# Altium PCB PreCharge.PcbDoc (part 1 of 2)
Units mil, origin at the board's own origin, x right, y up, seen from the top; angles counter-clockwise.
Board outline 4330.71 x 3149.61 mil, 2 copper layers (Component Side, Bottom Layer), stack 12.8 mil thick; 122 components, 83 nets, 386 pads, 0 vias.
Unrouted connection lines stored in the file: 261.
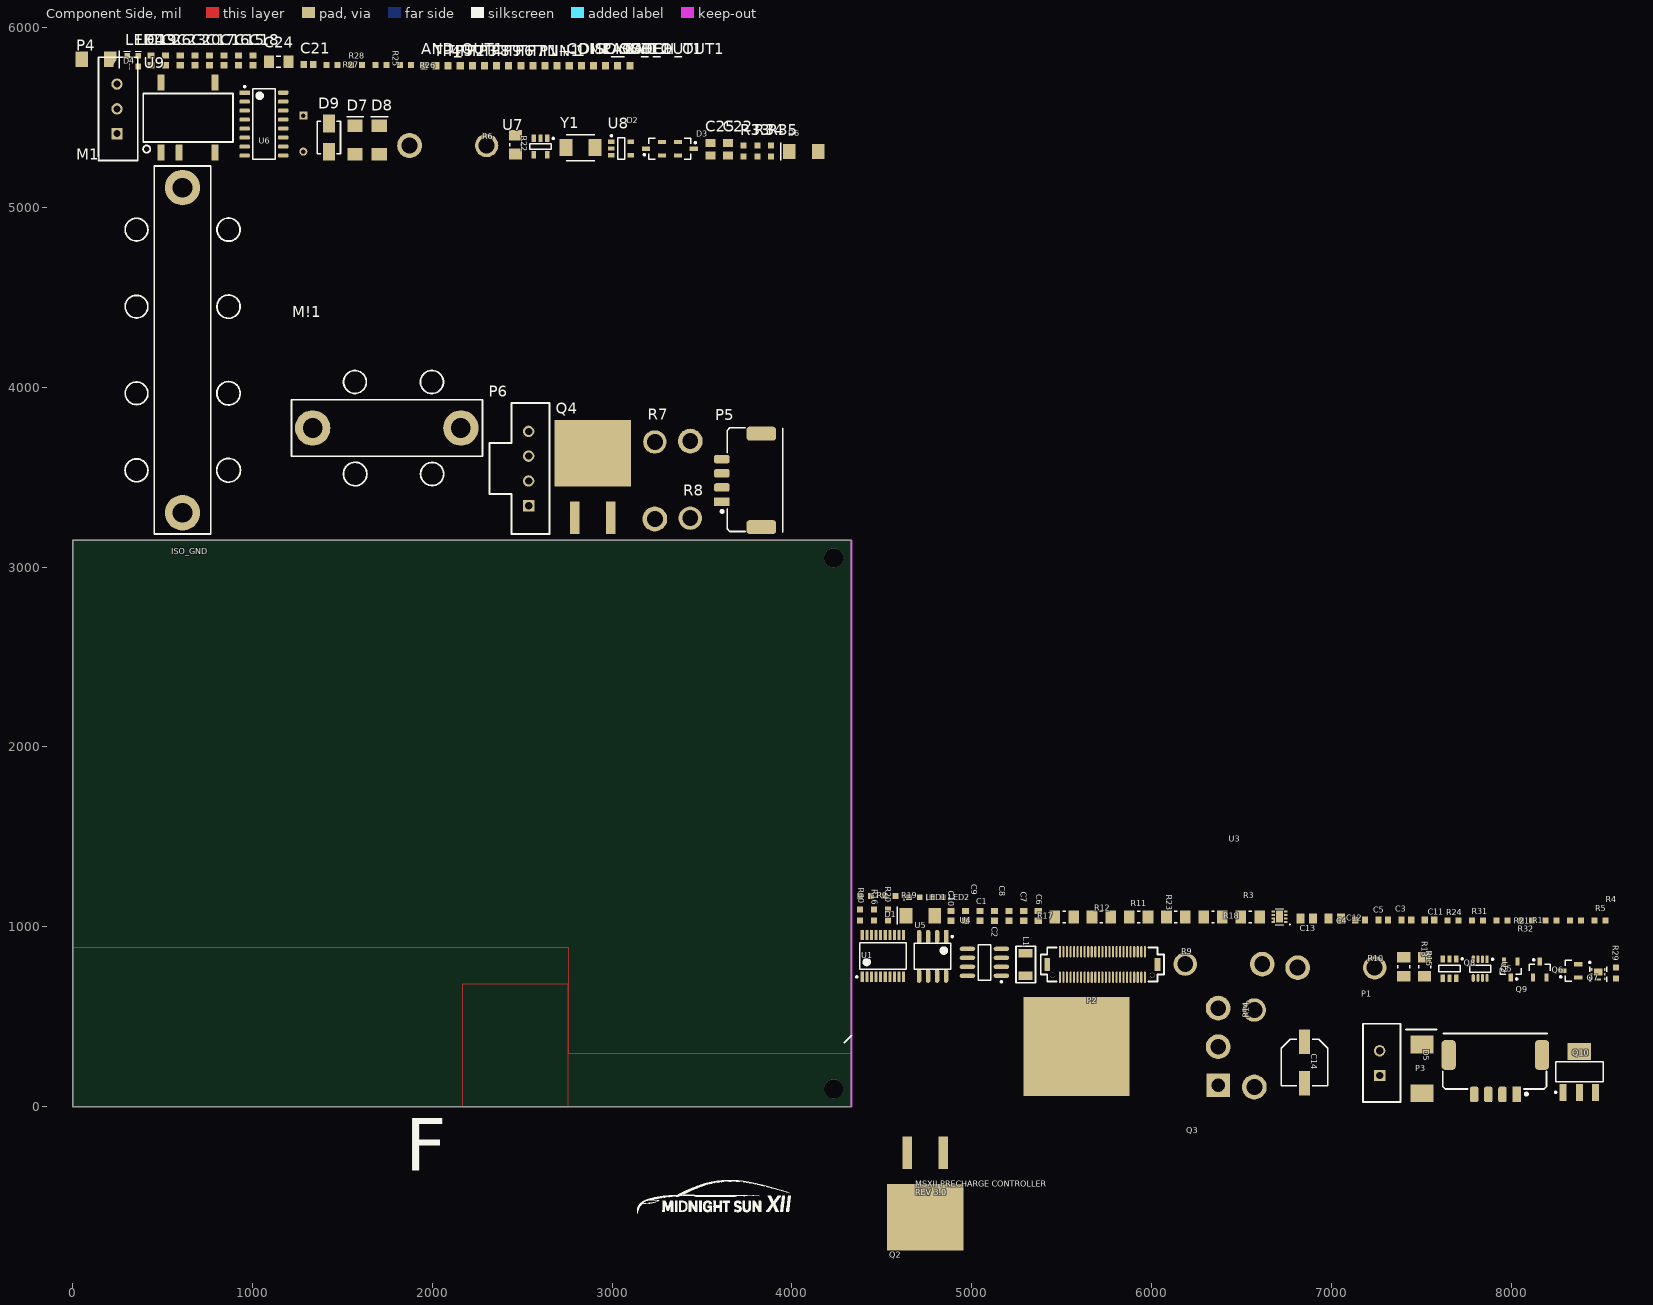
[diagram p0: Component Side view]
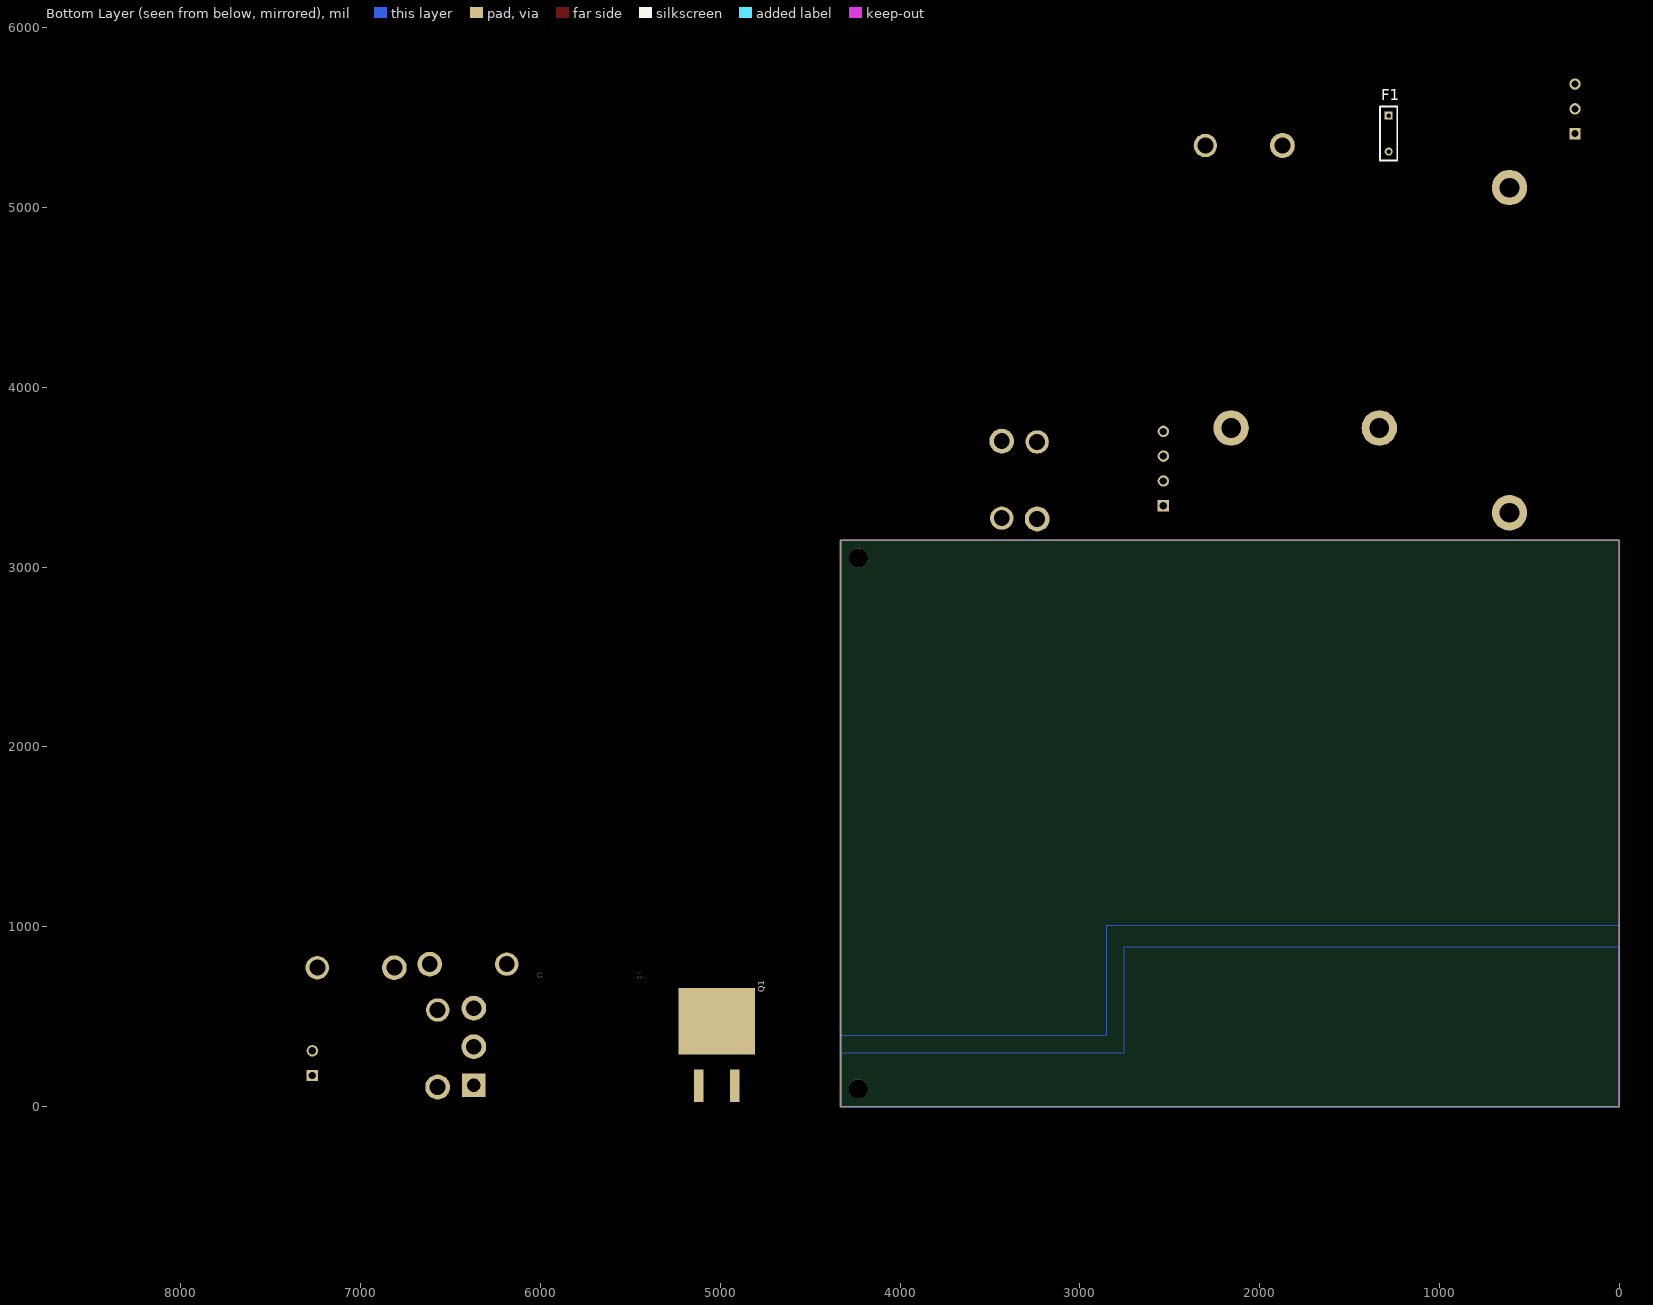
[diagram p1: Bottom Layer view, seen from below]

## Layer stack, top to bottom
Top Solder: solder mask 0.4, Solder Resist, Dk 3.5
Component Side: signal copper 1.4
Dielectric 1: core 10, FR-4, Dk 4.2
Bottom Layer: signal copper 1.4
Solder Side: solder mask 0.4, Solder Resist, Dk 3.5

## Board outline
0,0 4330.71,0 4330.71,3149.61 0,3149.61

## Design rules (kind name [scope] priority, off if disabled: settings)
Clearance "Schematic Clearance Constraint_1" [InNetClass('HV')] p1: gap=49.21 ignorepadtopadclearanceinfootprint=TRUE except(8: Text-Text Text-Hole)
Clearance Clearance_1 [InPolygon and InNet('ISO_GND') vs InNet('TO DISCHARGE RESISTOR') or InNet('PRECHARGEIN')or InNet('PRECHARGEOUT') or InNet('BAT_IN') or InNet('NetR12_1') or InNet('NetR13_1') or InComponent('K2')] p2: gap=31.5 ignorepadtopadclearanceinfootprint=FALSE except(0: Arc-Hole Track-Hole SMDPad-Hole THPad-Hole Via-Hole Fill-Hole Poly-Hole Region-Hole Text-Hole)
Clearance [All] p3: gap=7.87 ignorepadtopadclearanceinfootprint=FALSE except(0: Arc-Hole Track-Hole SMDPad-Hole THPad-Hole Via-Hole Fill-Hole Poly-Hole Region-Hole Text-Hole; 11.81: Poly-Poly Poly-Region Poly-Text)
DiffPairsRouting [All] p1: maxlimit=10 minlimit=10 mostfreqgap=10 toplayer_minwidth=15 toplayer_maxwidth=15 toplayer_prefwidth=15 bottomlayer_minwidth=15 bottomlayer_maxwidth=15 bottomlayer_prefwidth=15 maxuncoupledlength=500
Height [All] p1: minheight=0 maxheight=3937.01 prefheight=500
MinimumSolderMaskSliver [All] p1: minsoldermaskwidth=11.81
PolygonConnect Via_1 [IsVia] p1: connectstyle=Direct reliefconductorwidth=10 reliefentries=4 polygonreliefangle="90 Angle" airgapwidth=10
PolygonConnect [All] p2: connectstyle=Relief reliefconductorwidth=10 reliefentries=4 polygonreliefangle="90 Angle" airgapwidth=10
RoutingVias [All] p1: holewidth=11.81 width=23.62 viastyle="Through Hole" minholewidth=11.81 minwidth=23.62 maxholewidth=39.37 maxwidth=78.74
SolderMaskExpansion [All] p1: expansion=4
Width [All] p1: maxlimit=100 minlimit=7.87 preferedwidth=13.78
27 further rules are at their usual default settings.

## Classes and differential pairs
component class "U_Motor Interface - Connectors": D1 D2 D3 LED1 P1 P2 P3 P4 P5 P6 R1 TP1
component class "U_Motor Interface - CAN": C1 C2 C3 C4 C5 C6 R2 TP2 TP3 TP4 TP5 TP6 TP7 TP8 TP9 U1 U2 Y1
net class HV: HV_IN HV_IN_FUSED IN+ IN- MOTOR_CONTROLLER_HV NetD4_1 NetD5_2 NetQ1_4 NetQ3_2 NetQ4_4 NetR6_2 NetR7_2 NetR8_2
component class "U_Motor Interface - Pre-Charge Logic": AND_OUT1 C14 C15 C16 C17 C18 C19 C20 C21 C22 C23 C24 C25 C26 COMP_OUT1 D9 IN+1 IN-1 ISO_1 ISO_2 ISO_LATCH_OUT1 L1 LATCH_OUT1 LED2 LED3 LED4 Q6 Q7 Q8 Q9 Q10 R24 R25 R26 R27 R28 R29 R30 R31 R32 R33 R34 R35 U5 U6 U7 U8 U9
component class "U_Motor Interface - Pre-Charge HV": C11 C12 C13 D4 D5 D6 D7 D8 DISC_GATE1 F1 M1 M!1 Q1 Q2 Q3 Q4 Q5 R6 R7 R8 R9 R10 R11 R12 R13 R14 R15 R16 R17 R18 R19 R20 R21 R22 R23 R? U4
component class "U_Motor Interface - Pre-Charge Interface": C7 C8 C9 C10 R3 R4 R5 U3
differential pair MOTOR_CONTROLLER_CAN: +MOTOR_CONTROLLER_CAN_P -MOTOR_CONTROLLER_CAN_N

## Components (designator, comment, footprint, x,y, rotation, side; value= is the part's Value field where it differs from the comment)
AND_OUT1 "Test Point" "Test Point" 1952.87,5788.85 r90 top
C1 "CAP CER 0.1UF 50V 10% X7R 0603" "CAP, 0603" 5046.13,1060.84 r90 top
C2 "CAP CER 1UF 50V 10% X7R 0603" "CAP, 0603" 5127.15,1060.84 r90 top
C3 "CAP CER 4.7UF 25V 10% X5R 0603" "CAP, 0603" 7417.25,1037.22 r180 top
C4 "CAP CER 0.1UF 50V 10% X7R 0603" "CAP, 0603" 7160.71,1037.22 r0 top
C5 "CAP CER 25PF 50V ±5% C0G/NP0 0603" "CAP, 0603" 7288.98,1037.22 r0 top
C6 "CAP CER 25PF 50V ±5% C0G/NP0 0603" "CAP, 0603" 5370.22,1060.84 r270 top
C7 "CAP CER 10nF 50V 5% X7R 0603" "CAP, 0603" 5289.2,1060.84 r90 top
C8 "CAP CER 0.1UF 50V 10% X7R 0603" "CAP, 0603" 5208.17,1060.84 r90 top
C9 "CAP CER 10nF 50V 5% X7R 0603" "CAP, 0603" 4965.1,1060.84 r90 top
C10 "CAP CER 6800pF 50V 10% X7R 0603" "CAP, 0603" 4884.08,1060.84 r270 top
C11 "CAP CER 2.2UF 25V 10% X5R 0603" "CAP, 0603" 7545.52,1037.22 r180 top
C12 "CAP CER 10uF 25V 10% X5R 0805" "CAP, 0805" 7018.67,1045.09 r180 top
C13 "CAP CER 10uF 25V 10% X5R 0805" "CAP, 0805" 6862.84,1045.09 r0 top
C14 "100UF" "CAP ALUM 6.3MM RADIAL SMD" 6850.71,245.39 r270 top
C15 "CAP CER 0.1UF 50V 10% X7R 0603" "CAP, 0603" 921.75,5819.3 r90 top
C16 "CAP CER 0.1UF 50V 10% X7R 0603" "CAP, 0603" 840.72,5819.3 r90 top
C17 "CAP CER 0.1UF 50V 10% X7R 0603" "CAP, 0603" 759.7,5819.3 r90 top
C18 "CAP CER 0.1UF 50V 10% X7R 0603" "CAP, 0603" 1002.77,5819.3 r90 top
C19 "CAP CER 680PF 50V C0G/NP0 0603" "CAP, 0603" 435.61,5819.3 r90 top
C20 "CAP CER 1UF 50V 10% X7R 0603" "CAP, 0603" 678.68,5819.3 r90 top
C21 "CAP CER 0.1UF 50V 10% X7R 0603" "CAP, 0603" 1310.49,5795.68 r0 top
C22 "CAP CER 4.7UF 50V 10% X5R 0805" "CAP, 0805" 3643.55,5324.76 r90 top value=4.7uF
C23 "CAP CER 0.1UF 50V 10% X7R 0603" "CAP, 0603" 597.65,5819.3 r90 top
C24 "CAP CER 2.2UF 100V ±20% X7R 1206" "CAP, 1206" 1144.82,5811.43 r0 top
C25 "CAP CER 10uF 25V 10% X5R 0805" "CAP, 0805" 3546.78,5324.76 r90 top
C26 "CAP CER 0.1UF 50V 10% X7R 0603" "CAP, 0603" 516.63,5819.3 r90 top
COMP_OUT1 "Test Point" "Test Point" 2761.31,5788.85 r90 top
D1 "DIODE TVS 15VWM 24.4VC DO-214AA (SMB)" "DO-214AA DIODE" 4794.57,1061.83 r180 top
D2 "DIODE TVS 24VWM 70VC SOT23" SOT23 3232.18,5327.72 r180 top
D3 "DIODE TVS 24VWM 70VC SOT23" SOT23 3409.66,5327.72 r0 top
D4 "DIODE ZENER 16V 5W DO-214AA (SMB)" "DO-214AA DIODE" 49,5825 r0 top
D5 "DIODE GEN PURP 800V 8A SMC" "DIODE, SMC" 7504.48,209.04 r270 top
D6 "DIODE ZENER 16V 5W DO-214AA (SMB)" "DO-214AA Diode" 4145.8,5311.97 r180 top
D7 "DIODE ZENER 16V 5W DO-214AA (SMB)" "DO-214AA Diode" 1569.8,5295.85 r90 top
D8 "DIODE ZENER 16V 5W DO-214AA (SMB)" "DO-214AA Diode" 1704.77,5295.85 r90 top
D9 "DIODE SCHOTTKY 60V 3A SMA" "Diode, SMA" 1424.69,5310.06 r90 top
DISC_GATE1 "Test Point" "Test Point" 2828.68,5788.85 r90 top
F1 "3A 450VDC" "FUSE 5A 400VDC RADIAL" 1282.19,5511.85 r270 bottom
IN+1 "Test Point" "Test Point" 2626.57,5788.85 r90 top
IN-1 "Test Point" "Test Point" 2693.94,5788.85 r90 top
ISO_1 "Test Point" "Test Point" 3030.79,5788.85 r90 top
ISO_2 "Test Point" "Test Point" 3098.16,5788.85 r90 top
ISO_LATCH_OUT1 "Test Point" "Test Point" 2896.05,5788.85 r90 top
L1 "IND 6.8uH 260mA 20% 1210" "NLFV32T-6R8M-EF/IND 6.8UH" 5299.76,727.41 r90 top
LATCH_OUT1 "Test Point" "Test Point" 2963.42,5788.85 r90 top
LED1 "LED GREEN CLEAR 2V 0603" LED_0603 4708.23,1164.7 r180 top
LED2 "LED BLUE CLEAR 2.8V 0603" LED_0603 4836.9,1163.65 r180 top
LED3 "LED GREEN CLEAR 2V 0603" LED_0603 364.14,5786.88 r90 top
LED4 "LED YELLOW CLEAR 2.1V 0603" LED_0603 302.39,5786.88 r90 top
M1 "HEATSINK 4xTO-247" "HEATSINK 4x TO-247" 866.3,3538.94 r90 top
M!1 "HEATSINK 2xTO-247_1" "HEATSINK 2x TO-247" 1334.21,3774.09 r0 top
P1 "CONN 2POS ULTRA-FIT 0.138\"" "CONN, 2POS ULTRA-FIT" 7269.13,172.43 r90 top
P2 "CONN 50POS Bergstak Plug 0.02\"" "CONN, Bergstak 50 Pos Plug" 5726.61,790.19 r90 top
P3 "Dura-Clik" "CONN, 4POS DURA-CLIK VERT" 8030.8,67.31 r180 top
P4 "CONN 3POS ULTRA-FIT 0.138\"" "CONN, 3POS ULTRA-FIT" 245.63,5411.46 r90 top
P5 "Dura-Clik" "CONN, 4POS DURA-CLIK VERT" 3610.15,3364.71 r90 top
P6 "CONN 4POS ULTRA-FIT 0.138\"" "CONN, 4POS ULTRA-FIT" 2535.59,3342.09 r90 top
Q1 "IXTA10P50P" "P-CH MOSFET 500V 10A 300W TO-263" 5020.5,474.79 r180 bottom
Q2 "IXTA10P50P" "P-CH MOSFET 500V 10A 300W TO-263" 4742.52,-616.14 r180 top
Q3 "MOSFET DEPLETION N-CH 500V 6A TO247" "N-CH Depletion Mode TO-247-3" 6370.68,118.43 r90 top
Q4 "MOSFET N-CH 650V 8A X2 TO-263" "P-CH MOSFET 500V 10A 300W TO-263" 2892.55,3634.39 r0 top
Q5 "MOSFET N-CH 60V 310MA SOT23" SOT23 8159.33,762.57 r90 top
Q6 "MOSFET N-CH 30V 8.7A 2.1W 6-PQFN (2x2)" "MOSFET N-CH 30V 12A 2mmx2mm PQFN" 8447.51,761.58 r270 top
Q7 "MOSFET N-CH 60V 310MA SOT23" SOT23 8328.93,754.69 r180 top
Q8 "MOSFET P-CH 30V 4A 1.6W SOT-23-6" P-MOSFET 7657.4,767.49 r270 top
Q9 "MOSFET N-CH 60V 310MA SOT23" SOT23 7997.59,762.57 r270 top
Q10 "P-Channel" SOT223_N 8379.61,193.23 r90 top
R1 "RES 10K OHM 1% 1/10W 0603" "RES, 0603" 8222.29,1035.25 r0 top
R2 "RES 10K OHM 1% 1/10W 0603" "RES, 0603" 4408.78,1171.39 r0 top
R3 "200 Ohm" "RES 1206" 6342.27,1054.94 r0 top
R4 "RES 10K OHM 1% 1/10W 0603" "RES, 0603" 8358.43,1035.25 r0 top
R5 "RES 10K OHM 1% 1/10W 0603" "RES, 0603" 8494.57,1035.25 r0 top
R6 "RES 18 OHM 100W 5% TO-247" "RES TO-247-2" 2301.54,5345.43 r180 top
R7 "RES 18 OHM 100W 5% TO-247" "RES TO-247-2" 3237.41,3696.53 r270 top
R8 "RES 18 OHM 100W 5% TO-247" "RES TO-247-2" 3434.57,3272.91 r90 top
R9 "RES 18 OHM 100W 5% TO-247" "RES TO-247-2" 6187.44,792.09 r0 top
R10 "RES 330 OHM 100W 5% TO-247" "RES TO-247-2" 7241.3,772.41 r180 top
R11 "RESISTOR" "RES 1206" 5928.25,1054.94 r0 top
R12 "RESISTOR" "RES 1206" 5721.24,1054.94 r180 top
R13 "Resistor" "RES 1206" 7519.29,777.33 r270 top
R14 "RES 330 OHM 100W 5% TO-247" "RES TO-247-2" 6571.85,536.93 r270 top
R15 "RESISTOR" "RES 1206" 7402.83,777.33 r270 top
R16 "RES 10K OHM 1% 1/10W 0603" "RES, 0603" 4456.34,1064.78 r90 top
R17 "Resistor" "RES 1206" 5514.24,1054.94 r0 top
R18 "Resistor" "RES 1206" 6549.27,1054.94 r0 top
R19 "RES 40.2 OHM 0.5% 1/10W 0603" "RES, 0603" 4544.92,1171.39 r180 top
R20 "RES 22.1 OHM 1% 1/10W 0603" "RES, 0603" 4533.43,1064.78 r270 top
R21 "RES 10K OHM 1% 1/10W 0603" "RES, 0603" 7950,1035.25 r0 top
R22 "RES SMD 0 OHM JUMPER 1/4W 1206" "RES 1206" 2463.07,5350.35 r270 top
R23 "RES SMD 2K OHM 0.1% 1/4W 1206" "RES 1206" 6135.26,1054.94 r180 top
R24 "RES 10K OHM 1% 1/10W 0603" "RES, 0603" 7677.72,1035.25 r0 top
R25 "RES 22.1 OHM 1% 1/10W 0603" "RES, 0603" 1714.97,5793.71 r0 top
R26 "RES 1M OHM 1% 1/10W 0603" "RES, 0603" 1851.12,5793.71 r0 top
R27 "RES 10K OHM 1% 1/10W 0603" "RES, 0603" 1442.69,5793.71 r180 top
R28 "1K" "RES, 0603" 1578.83,5793.71 r0 top
R29 "RES 10K OHM 1% 1/10W 0603" "RES, 0603" 8584.64,741.9 r90 top
R30 "RES 10K OHM 1% 1/10W 0603" "RES, 0603" 4379.25,1064.78 r270 top
R31 "RES 10K OHM 1% 1/10W 0603" "RES, 0603" 7813.86,1035.25 r180 top
R32 "RES 10K OHM 1% 1/10W 0603" "RES, 0603" 8086.15,1035.25 r180 top
R33 "RES 10K OHM 1% 1/10W 0603" "RES, 0603" 3730.48,5314.92 r90 top
R34 "RES 10K OHM 1% 1/10W 0603" "RES, 0603" 3807.57,5314.92 r90 top
R35 "RES 10K OHM 1% 1/10W 0603" "RES, 0603" 3884.66,5314.92 r90 top
TP1 "Test Point" "Test Point" 2559.2,5788.85 r90 top
TP2 "SPI_SCK" "Test Point" 2154.98,5788.85 r90 top
TP3 "SPI_MOSI" "Test Point" 2222.35,5788.85 r90 top
TP4 "SPI_MISO" "Test Point" 2020.24,5788.85 r90 top
TP5 "SPI_NSS" "Test Point" 2087.61,5788.85 r90 top
TP6 "CAN_INT_n" "Test Point" 2424.46,5788.85 r90 top
TP7 "CAN_TX" "Test Point" 2491.83,5788.85 r90 top
TP8 "CAN_RX" "Test Point" 2289.72,5788.85 r90 top
TP9 "CAN_CLOCK" "Test Point" 2357.09,5788.85 r90 top
U1 "MCP2515" TSSOP65P640X120-20N 4506.22,837.37 r90 top
U2 "IC CAN Tranceiver TCAN332DR" TSOP65P280X145-8N 7827.99,767.49 r270 top
U3 "IC LOAD SWITCH ACT-HI 10.5A 8DFN" "IC LOAD SWITCH ACT-HI 10.5A 8DFN" 6712.05,1055.8 r90 top
U4 "IC REG SWTCHD CAP INV 20MA 8SOIC" SOIC8 5071.06,803.31 r180 top
U5 "IC OPTOISOLATOR 3.75KV PUSH PULL 8-SOIC" "IC OPTOISOLATOR HCPL-0211 SO-8" 4782.13,835.27 r270 top
U6 "IC SR LATCH 4CH 16SOIC" "IC, SR Latch, CD4043BDR" 1063.03,5464.53 r0 top
U7 "IC COMPARATOR TLV1701 SOT-23-5" SOT95P280X145-5N 2601.19,5339.53 r270 top
U8 "IC AND GATE 1CH 5-SSOP" "IC, 2-Input AND Gate" 3049.78,5328.7 r0 top
U9 "IC DCDC ISOLATED 12V 1W 8-SMD 5-LEAD" "IC, Isolated DCDC" 491.38,5351.2 r0 top
Y1 "CRYSTAL 16 MHz 18PF 2-SMD" "ABM3 CRYSTAL" 2824,5333.62 r0 top

## Footprints (in the part's own frame and the unit in brackets; to place one, negate y for a bottom-side part, rotate by r counter-clockwise, add the part's x,y. Pads: shape width x height; smd on the part's side, far side on the other; paste and mask are expansions set on the pad)
"ABM3 CRYSTAL" [mm]
  rect 1.9x2.4 smd: 1(-2.05,0) 2(2.05,0)
  silkscreen extent -2,-1.85 2,1.85, body extent -2.5,-1.6 2.5,1.6, height 1.3
"CAP ALUM 6.3MM RADIAL SMD" [mm] "Aluminum Electrolytic Capacitor, Body 6.50x6.50x5.50mm, IPC Low Density"
  rect 3.45x1.55 smd: 1(-2.95,0) 2(2.95,0)
  silkscreen extent -3.3,-3.3 3.3,3.3, body extent -3.9,-3.3 3.9,3.3, height 5.5
"CAP, 0603" [mm] "Chip Capacitor, 2-Leads, Body 1.60x0.81mm, IPC Medium Density"
  rect 0.9x1 smd mask+0.076: 1(-0.675,0) 2(0.675,0)
  body extent -0.87,-0.48 0.87,0.48, height 0.9
"CAP, 0805" [mm] "Chip Capacitor, 2-Leads, Body 2.00x1.25mm, IPC Medium Density"
  rect 1.15x1.4 smd: 1(-0.875,0) 2(0.875,0)
  body extent -1,-0.63 1,0.63, height 1.25
"CAP, 1206" [mm] "Chip Capacitor, 2-Leads, Body 3.20x1.60mm, IPC Medium Density"
  rect 1.4x1.8 smd: 1(-1.375,0) 2(1.375,0)
  silkscreen extent -0.3,-0.8 0.3,0.8, body extent -1.68,-0.87 1.67,0.87, height 1.8
"CONN, 2POS ULTRA-FIT" [mm] "2 Positions Header, Shrouded Connector 0.138\" (3.50mm) Through Hole Gold"
  rect 1.6x1.6 hole 1.02: 1(0,0)
  round 1.6 hole 1.02: 2(3.5,0)
  round 1.6 hole 2.3: ""(-2.5,-0.63) ""(6,-0.63)
  silkscreen extent -3.74,-2.93 7.33,2.37, body extent -3.48,-2.87 7.12,5.79, height 13.85
"CONN, 3POS ULTRA-FIT" [mm]
  rect 1.6x1.6 hole 1.02: 1(0,0)
  round 1.6 hole 1.02: 2(3.5,0) 3(7,0)
  round 0 hole 2.3: ""(-2.5,-0.63) ""(9.5,-0.63)
  silkscreen extent -3.8,-2.93 10.8,2.62, body extent -3.55,-2.67 10.55,5.99, height 13.85
"CONN, 4POS DURA-CLIK VERT" [mm]
  rect 1.2x2.2 smd: 1(0,0)
  rrect50% 1.2x2.2 smd: 2(2,0) 3(4,0) 4(6,0)
  rrect50% 2x4.2 smd: 7(-3.6,-5.58) 7(9.6,-5.58)
  silkscreen extent -4.28,-8.61 10.42,0.05, body extent -4.28,-8.61 10.32,0.54, height 8
"CONN, 4POS ULTRA-FIT" [mm]
  rect 1.6x1.6 hole 1.02: 1(0,0)
  round 1.6 hole 1.02: 2(3.5,0) 3(7,0) 4(10.5,0)
  round 0 hole 2.3: ""(-2.5,-0.63) ""(13,-0.63)
  silkscreen extent -4,-2.93 14.5,5.53, body extent -3.54,-2.78 14.06,5.88, height 13.85
"CONN, Bergstak 50 Pos Plug" [mm] "Bergstak 50 Position Plug"
  rect 1.6x0.3 smd: 1(1.8,6)
  oval 1.6x0.3 smd: 2(1.8,5.5) 3(1.8,5) 4(1.8,4.5) 5(1.8,4) 6(1.8,3.5) 7(1.8,3) 8(1.8,2.5) 9(1.8,2) 10(1.8,1.5) 11(1.8,1) 12(1.8,0.5) 13(1.8,0) 14(1.8,-0.5) 15(1.8,-1) 16(1.8,-1.5) 17(1.8,-2) 18(1.8,-2.5) 19(1.8,-3) 20(1.8,-3.5) 21(1.8,-4) 22(1.8,-4.5) 23(1.8,-5) 24(1.8,-5.5) 25(1.8,-6) 26(-1.8,-6) 27(-1.8,-5.5) 28(-1.8,-5) 29(-1.8,-4.5) 30(-1.8,-4) 31(-1.8,-3.5) 32(-1.8,-3) 33(-1.8,-2.5) 34(-1.8,-2) 35(-1.8,-1.5) 36(-1.8,-1) 37(-1.8,-0.5) 38(-1.8,0) 39(-1.8,0.5) 40(-1.8,1) 41(-1.8,1.5) 42(-1.8,2) 43(-1.8,2.5) 44(-1.8,3) 45(-1.8,3.5) 46(-1.8,4) 47(-1.8,4.5) 48(-1.8,5) 49(-1.8,5.5) 50(-1.8,6)
  round 0.7 hole 0.7: ""(-1.5,7.05) ""(-1.5,-7.05)
  rect 1.8x0.8 smd: ""(0,7.8) ""(0,-7.8)
  silkscreen extent -2.4,-8.7 2.4,8.7, body extent -2.3,-7.75 2.3,7.75, height 4.2
"Diode, SMA" [mm]
  rect 2.5x1.7 smd: 1(0,0) 2(4,0)
  silkscreen extent -0.25,-1.65 4.32,1.65, body extent -0.69,-1.45 4.59,1.47, height 2.41
"DIODE, SMC" [mm]
  rect 2.5x3.3 smd: 1(-3.45,0) 2(3.45,0)
  silkscreen extent -5.59,-2.29 -5.59,2.03, body extent -2.74,-1.52 2.54,1.27, height 2.25
"DO-214AA DIODE" [mil] "Zener Diode 16V 5W SMBJ5353B-TP"
  rect 70x85 smd: 1(0,0) 2(160,0)
  silkscreen extent 209,-50 209,47, body extent -21,-60 187,55, height 95
"DO-214AA Diode" [mil] "Zener Diode 16V 5W SMBJ5353B-TP"
  rect 70x85 smd: 1(0,0) 2(160,0)
  silkscreen extent 209,-50 209,47, body extent -21,-60 187,55, height 95
"FUSE 5A 400VDC RADIAL" [mil]
  rect 45x45 hole 25: 1(0,0)
  round 45 hole 25: 2(200,0)
  silkscreen extent -50,-48 250,48, body extent -55,-53 255,53, height 320
"HEATSINK 2x TO-247" [mm]
  round 5 hole 2.775: 6(0,0) 7(20.94,0)
  silkscreen extent -3,-8.15 24,8.12, body extent -2,-15.1 23,14.9, height 59.7
"HEATSINK 4x TO-247" [mm]
  round 5 hole 2.775: 6(-6,6.5) 7(39.94,6.5)
  silkscreen extent -9,-1.68 43,14.61, body extent -8,-8.25 42,21.75, height 59.7
"IC LOAD SWITCH ACT-HI 10.5A 8DFN" [mm]
  rect 0.3x0.5 smd: 1(-0.75,-0.9) 2(-0.25,-0.9) 3(0.25,-0.9) 4(0.75,-0.9) 5(0.75,0.9) 6(0.25,0.9) 7(-0.25,0.9) 8(-0.75,0.9)
  rect 0.8x0.2 smd paste+0 mask+0: 8(-0.5,0.75)
  rect 1.7x1 smd: 9(0,0)
  silkscreen extent -1.12,-1.47 1.1,0.6, body extent -1,-1.05 1,1.05, height 1
"IC OPTOISOLATOR HCPL-0211 SO-8" [mm] "SOIC, 8-Leads, Body 5.08x3.94mm, Pitch 1.27mm, IPC Medium Density"
  rect 1.9x0.64 smd: 1(-2.795,1.905)
  oval 1.9x0.64 smd: 2(-2.795,0.635) 3(-2.795,-0.635) 4(-2.795,-1.905) 5(2.795,-1.905) 6(2.795,-0.635) 7(2.795,0.635) 8(2.795,1.905)
  silkscreen extent -2.92,-2.6 1.83,2.9, body extent -3,-2.6 3,2.6, height 3.2
"IC, 2-Input AND Gate" [mm] "IC GATE AND 1CH 2-INP 5-SSOP"
  rect 0.95x0.6 smd: 1(-1.375,0.95)
  rrect25% 0.95x0.6 smd: 2(-1.375,0) 3(-1.375,-0.95) 4(1.375,-0.95) 5(1.375,0.95)
  silkscreen extent -1.5,-1.55 0.5,1.92, body extent -0.9,-1.55 0.9,1.55, height 1.25
"IC, Isolated DCDC" [mm]
  rect 1x2.29 smd: 1(0,-1.15)
  rrect20% 1x2.29 smd: 2(2.54,-1.15) 4(7.62,-1.15) 5(7.62,8.76) 8(0,8.76)
  silkscreen extent -2.55,-1.16 10.16,7.22, body extent -2.54,0.35 10.16,7.22, height 7
"IC, SR Latch, CD4043BDR" [mm] "SR LATCH"
  rect 1.45x0.6 smd: 1(-2.725,4.445)
  rrect50% 1.45x0.6 smd: 2(-2.725,3.175) 3(-2.725,1.905) 4(-2.725,0.635) 5(-2.725,-0.635) 6(-2.725,-1.905) 7(-2.725,-3.175) 8(-2.725,-4.445) 9(2.725,-4.445) 10(2.725,-3.175) 11(2.725,-1.905) 12(2.725,-0.635) 13(2.725,0.635) 14(2.725,1.905) 15(2.725,3.175) 16(2.725,4.445)
  silkscreen extent -2.85,-5 1.6,5.42, body extent -2,-5 2,5, height 1.75
LED_0603 [mm]
  rect 0.8x0.8 smd: 1(-0.05,0.01) 2(1.45,0.01)
  silkscreen extent 2.09,-0.43 2.09,0.48, body extent -0.1,-0.39 1.5,0.41, height 0.55
"MOSFET N-CH 30V 12A 2mmx2mm PQFN" [mm] "PQFN, 6-Leads, Body 2.00x2.00mm, Pitch 0.65mm/0.50mm, Thermal Pad 1.00x1.20mm, IPC Medium Density"
  rect 0.4x0.25 smd: 1(0,0) 2(0.65,0) 3(1.3,0) 4(1.3,1.85) 5(0.65,1.85) 6(0,1.85)
  rect 1x1.2 smd: 7(0.35,0.925)
  rect 0.3x0.79 smd: 8(1.39,0.925)
  silkscreen extent -1.14,-0.38 1.7,2.12, body extent -0.4,-0.13 1.7,1.97, height 1
"N-CH Depletion Mode TO-247-3" [mm]
  rect 3.3x3.3 hole 1.95: 1(0,0)
  round 3.5 hole 2.2: 2(5.45,0) 3(10.9,0)
  rect 14x15 smd: 2(5.5,20)
  body extent -2.5,-0.5 13.35,28.28, height 33.5
"NLFV32T-6R8M-EF/IND 6.8UH" [mm]
  rect 1.2x2 smd: 1(0,0) 2(3.2,0)
  silkscreen extent -0.98,-1.38 4.17,1.38, body extent -0.98,-1.38 4.17,1.38, height 2.2
"P-CH MOSFET 500V 10A 300W TO-263" [mm]
  rect 1.35x4.6 smd: 1(-2.54,-9.15) 3(2.54,-9.15)
  rect 10.8x9.4 smd: 4(0,0)
  body extent -5,-11.19 5,4.69, height 4.3
P-MOSFET [mm] "SOT23, 6-Leads, Body 2.93x2.80mm, Pitch 0.95mm, IPC Medium Density"
  rect 1x0.6 smd mask+0.076: 1(-1.365,0.95) 2(-1.365,0) 3(-1.365,-0.95) 4(1.365,-0.95) 5(1.365,0) 6(1.365,0.95)
  silkscreen extent -1.49,-1.5 0.45,1.93, body extent -1.5,-1.52 1.5,1.52, height 1.25
"RES 1206" [mm] "Chip Resistor, 2-Leads, Body 3.20x1.60mm, IPC Medium Density"
  rect 1.5x1.85 smd: 1(-1.325,0) 2(1.325,0)
  silkscreen extent -0.2,-0.82 0.2,0.82, body extent -1.73,-0.92 1.73,0.92, height 0.64
"RES TO-247-2" [mm]
  round 3.3 hole 2.25: 1(0,0)
  round 3.5 hole 2.25: 2(10.88,0)
  body extent -2.37,-2.75 13.13,2.25, height 33.5
"RES, 0603" [mm] "Chip Resistor, 2-Leads, Body 1.60x0.80mm, IPC Medium Density"
  rect 0.85x0.85 smd: 1(-0.775,0) 2(0.775,0)
  body extent -0.8,-0.4 0.8,0.4, height 0.55
SOIC8 [mm]
  oval 2.2x0.6 smd: 1(-2.394,1.935) 2(-2.394,0.665) 3(-2.394,-0.605) 4(-2.394,-1.875) 5(2.406,-1.875) 6(2.406,-0.605) 7(2.406,0.665) 8(2.406,1.935)
  silkscreen extent -2.52,-2.47 0.91,2.91, body extent -1.99,-2.47 2.01,2.53, height 1.75
SOT23 [mm] "SOT23, 3-Leads, Body 2.9x1.3mm, Pitch 0.95mm, Lead Span 2.3mm - Reverse Pinning, IPC Medium Density"
  rect 1.15x0.6 smd: 1(1.125,0) 2(-1.125,-0.95) 3(-1.125,0.95)
  silkscreen extent -0.2,-1.5 1.47,1.5, body extent -0.7,-1.5 0.7,1.5, height 1.1
SOT95P280X145-5N [mm] "SOT23, 5-Leads, Body 2.95x2.80mm, Pitch 0.95mm, IPC Medium Density"
  rect 1.05x0.6 smd: 1(-1.15,0.95) 2(-1.15,0) 3(-1.15,-0.95) 4(1.15,-0.95) 5(1.15,0.95)
  silkscreen extent -1.27,-1.5 0.4,1.93, body extent -1.4,-1.48 1.4,1.48, height 1.45
SOT223_N [mm] "SOT223, 4-Leads, Body 6.5x3.5mm, Pitch 2.3mm, Lead Span 7mm, IPC Medium Density"
  rect 2.4x1 smd: 1(-2.9,2.3) 2(-2.9,0) 3(-2.9,-2.3)
  rect 2.4x3.3 smd: 4(2.9,0)
  silkscreen extent -3.02,-3.35 1.4,3.47, body extent -1.85,-3.35 1.85,3.35, height 1.7
"Test Point" [mm]
  rect 1x1 smd paste-2: TP(0,0)
TSOP65P280X145-8N [mm] "TSOP, 8-Leads, Body 2.90x1.60mm, Pitch 0.65mm, IPC Medium Density"
  rect 1.1x0.45 smd: 1(-1.325,0.975)
  oval 1.1x0.45 smd: 2(-1.325,0.325) 3(-1.325,-0.325) 4(-1.325,-0.975) 5(1.325,-0.975) 6(1.325,-0.325) 7(1.325,0.325) 8(1.325,0.975)
  silkscreen extent -1.45,-1.5 0.5,1.88, body extent -1.39,-1.5 1.39,1.5, height 1.45
TSSOP65P640X120-20N [mm] "TSSOP, 20-Leads, Body 6.50x4.40mm, Pitch 0.65mm, IPC Medium Density"
  rect 1.45x0.45 smd: 1(-2.95,2.925) 2(-2.95,2.275) 3(-2.95,1.625) 4(-2.95,0.975) 5(-2.95,0.325) 6(-2.95,-0.325) 7(-2.95,-0.975) 8(-2.95,-1.625) 9(-2.95,-2.275) 10(-2.95,-2.925) 11(2.95,-2.925) 12(2.95,-2.275) 13(2.95,-1.625) 14(2.95,-0.975) 15(2.95,-0.325) 16(2.95,0.325) 17(2.95,0.975) 18(2.95,1.625) 19(2.95,2.275) 20(2.95,2.925)
  silkscreen extent -3.07,-3.3 1.85,3.82, body extent -2.25,-3.3 2.25,3.3, height 1.2

## Part data
C1 C4 C8 C15 C16 C17 C18 C21 C23 C26: "0.10µF ±10% 50V Ceramic Capacitor X7R 0603 (1608 Metric)", Capacitance=0.1µF, Manufacturer 1="AVX Corporation", Manufacturer Part Number 1=06035C104KAT2A, Operating Temperature="-55°C ~ 125°C", Package / Case="0603 (1608 Metric)", Ratings=-, Supplier Part Number 1=478-5052-1-ND, Temperature Coefficient=X7R, Tolerance=±10%, Voltage=50V, ComponentLink1Description=http://datasheets.avx.com/X7RDielectric.pdf, ComponentLink1URL=http://datasheets.avx.com/X7RDielectric.pdf, Height - Seated (Max)=-, Lead Spacing=-, Lead Style=-, Mounting Type="Surface Mount, MLCC", Packaging="Cut Tape (CT)", Part Status=Active, Size / Dimension="0.063\" L x 0.032\" W (1.60mm x 0.81mm)", Supplier 1=Digi-Key, Thickness (Max)="0.035\" (0.90mm)"
C2 C20: "1µF ±10% 50V Ceramic Capacitor X7R 0603 (1608 Metric)", Capacitance=1µF, Manufacturer 1="Taiyo Yuden", Manufacturer Part Number 1=UMK107AB7105KA-T, Operating Temperature="-55°C ~ 125°C", Package / Case="0603 (1608 Metric)", Ratings=-, Supplier Part Number 1=587-3247-1-ND, Temperature Coefficient=X7R, Tolerance=±10%, Voltage=50V, ComponentLink1Description=http://www.yuden.co.jp/productdata/catalog/en/mlcc_all_e.pdf, ComponentLink1URL=http://www.yuden.co.jp/productdata/catalog/en/mlcc_all_e.pdf, Height - Seated (Max)=-, Lead Spacing=-, Lead Style=-, Mounting Type="Surface Mount, MLCC", Packaging="Cut Tape (CT)", Part Status=Active, Size / Dimension="0.063\" L x 0.031\" W (1.60mm x 0.80mm)", Supplier 1=Digi-Key, Thickness (Max)="0.037\" (0.95mm)"
C3: "4.7µF ±10% 25V Ceramic Capacitor X5R 0603 (1608 Metric)", Capacitance=4.7µF, Manufacturer 1="Murata Electronics North America", Manufacturer Part Number 1=GRM188R61E475KE11D, Operating Temperature="-55°C ~ 85°C", Package / Case="0603 (1608 Metric)", Ratings=-, Supplier Part Number 1=490-7203-1-ND, Temperature Coefficient=X5R, Tolerance=±10%, Voltage=25V, ComponentLink1Description=http://www.murata.com/~/media/webrenewal/support/library/catalog/products/capacitor/mlcc/c02e.ashx, ComponentLink1URL=http://www.murata.com/~/media/webrenewal/support/library/catalog/products/capacitor/mlcc/c02e.ashx, Height - Seated (Max)=-, Lead Spacing=-, Lead Style=-, Mounting Type="Surface Mount, MLCC", Packaging="Cut Tape (CT)", Part Status=Active, Size / Dimension="0.063\" L x 0.031\" W (1.60mm x 0.80mm)", Supplier 1=Digi-Key, Thickness (Max)="0.031\" (0.80mm)"
C5 C6: "25pF 50V Ceramic Capacitor C0G, NP0 0603 (1608 Metric) 0.063\" L x 0.032\" W (1.60mm x 0.80mm)", Capacitance=25pF, Manufacturer="Samsung Electro-Mechanics", Manufacturer Part Number=CL10C250JB8NNNC, Operating Temperature="-55°C ~ 125°C", Package / Case="0603 (1608 Metric)", Ratings=-, Supplier Part Number 1=1276-2244-1-ND, Temperature Coefficient="C0G, NP0", Tolerance=±5%, Voltage - Rated=50V, Applications="General Purpose", Category=Capacitors, ComponentLink1Description=http://www.samsungsem.com/kr/support/product-search/mlcc/CL10C250JB8NNNC.jsp, ComponentLink1URL=http://www.samsungsem.com/kr/support/product-search/mlcc/CL10C250JB8NNNC.jsp, Features=-, Height - Seated (Max)=-, Lead Spacing=-, Lead Style=-, Mounting Type="Surface Mount, MLCC", Notification="Current market demand for these product types have resulted in fluctuating and extending lead times. Lead times may differ.", Packaging="Cut Tape (CT)", Part Status=Active, Pricing 1="1=0.14, 10=0.061, 100=0.0274, 500=0.01962, 1000=0.01542 (CAD)", RoHS="RoHS Compliant", Size / Dimension="0.063\" L x 0.032\" W (1.60mm x 0.80mm)", Stock 1=36668, Supplier 1=Digi-Key, Thickness (Max)="0.035\" (0.90mm)"
C7 C9: "10000pF ±5% 50V Ceramic Capacitor U2J 0603 (1608 Metric)", Capacitance=10000pF, Manufacturer 1=KEMET, Manufacturer Part Number 1=C0603C103J5JAC7867, Operating Temperature="-55°C ~ 125°C", Package / Case="0603 (1608 Metric)", Ratings=-, Supplier Part Number 1=399-13384-1-ND, Temperature Coefficient=U2J, Tolerance=±5%, Voltage=50V, ComponentLink1Description=http://www.kemet.com/docfinder?Partnumber=C0603C103J5JAC7867, ComponentLink1URL=http://www.kemet.com/docfinder?Partnumber=C0603C103J5JAC7867, Failure Rate=-, Height - Seated (Max)=-, Lead Spacing=-, Lead Style=-, Mounting Type="Surface Mount, MLCC", Packaging="Cut Tape (CT)", Part Status=Active, Size / Dimension="0.063\" L x 0.032\" W (1.60mm x 0.80mm)", Supplier 1=Digi-Key, Thickness (Max)="0.034\" (0.87mm)"
C10: "6800pF ±10% 50V Ceramic Capacitor X7R 0603 (1608 Metric)", Capacitance=6800pF, Manufacturer 1="Samsung Electro-Mechanics America, Inc.", Manufacturer Part Number 1=CL10B682KB8SFNC, Operating Temperature="-55°C ~ 125°C", Package / Case="0603 (1608 Metric)", Ratings=-, Supplier Part Number 1=1276-2103-1-ND, Temperature Coefficient=X7R, Tolerance=±10%, Voltage=50V, ComponentLink1Description=http://www.samsungsem.com/kr/support/product-search/mlcc/CL10B682KB8SFNC.jsp, ComponentLink1URL=http://www.samsungsem.com/kr/support/product-search/mlcc/CL10B682KB8SFNC.jsp, Height - Seated (Max)=-, Lead Spacing=-, Lead Style=-, Mounting Type="Surface Mount, MLCC", Packaging="Cut Tape (CT)", Part Status=Active, Size / Dimension="0.063\" L x 0.031\" W (1.60mm x 0.80mm)", Supplier 1=Digi-Key, Thickness (Max)="0.035\" (0.90mm)"
C11: "2.2µF ±10% 25V Ceramic Capacitor X5R 0603 (1608 Metric)", Capacitance=2.2µF, Manufacturer 1="Murata Electronics North America", Manufacturer Part Number 1=GRM188R61E225KA12D, Operating Temperature="-55°C ~ 85°C", Package / Case="0603 (1608 Metric)", Ratings=-, Supplier Part Number 1=490-10731-1-ND, Temperature Coefficient=X5R, Tolerance=±10%, Voltage=25V, ComponentLink1Description=http://www.murata.com/~/media/webrenewal/support/library/catalog/products/capacitor/mlcc/c02e.ashx, ComponentLink1URL=http://www.murata.com/~/media/webrenewal/support/library/catalog/products/capacitor/mlcc/c02e.ashx, Height - Seated (Max)=-, Lead Spacing=-, Lead Style=-, Mounting Type="Surface Mount, MLCC", Packaging="Cut Tape (CT)", Part Status=Active, Size / Dimension="0.063\" L x 0.031\" W (1.60mm x 0.80mm)", Supplier 1=Digi-Key, Thickness (Max)="0.035\" (0.90mm)"
C12 C13 C25: "10µF ±10% 25V Ceramic Capacitor X5R 0805 (2012 Metric)", Capacitance=10µF, Manufacturer="Murata Electronics North America", Manufacturer Part Number=GRM21BR61E106KA73L, Operating Temperature="-55°C ~ 85°C", Package / Case="0805 (2012 Metric)", Ratings=-, Supplier Part Number 1=490-5523-1-ND, Temperature Coefficient=X5R, Tolerance=±10%, Voltage - Rated=25V, Applications="General Purpose", Category=Capacitors, ComponentLink1Description=http://search.murata.co.jp/Ceramy/image/img/A01X/G101/ENG/GRM21BR61E106KA73-01.pdf, ComponentLink1URL=http://search.murata.co.jp/Ceramy/image/img/A01X/G101/ENG/GRM21BR61E106KA73-01.pdf, Features=-, Height - Seated (Max)=-, Lead Spacing=-, Lead Style=-, Mounting Type="Surface Mount, MLCC", Packaging="Cut Tape (CT)", Part Status=Active, Pricing 1="1=0.3, 10=0.214, 100=0.1008, 500=0.07068, 1000=0.05851 (CAD)", RoHS="RoHS Compliant", Size / Dimension="0.079\" L x 0.049\" W (2.00mm x 1.25mm)", Stock 1=1695157, Supplier 1=Digi-Key, Thickness (Max)="0.053\" (1.35mm)"
C14: library part "CAP ALUM 100UF 20% 35V SMD", "100µF 35V Aluminum Electrolytic Capacitors Radial, Can - SMD 2000 Hrs @ 85°C", Capacitance=100uF, Case/Package=Radial, Leakage Current=3uA, Manufacturer 1=Panasonic, Manufacturer Part Number 1=EEE-1VA101XP, Max Operating Temperature=85°C, Min Operating Temperature=-40°C, Package Quantity=900, Ripple Current=132mA, Supplier Part Number 1=PCE3951CT-ND, Tolerance=20%, Voltage=35V, ComponentLink1Description=https://datasheet.ciiva.com/46378/aba0000ce2-46378341.pdf, ComponentLink1URL=https://datasheet.ciiva.com/46378/aba0000ce2-46378341.pdf, ComponentLink2Description=https://datasheet.ciiva.com/17535/aba0000ce2-17535510.pdf, ComponentLink2URL=https://datasheet.ciiva.com/17535/aba0000ce2-17535510.pdf, ComponentLink3Description=https://datasheet.ciiva.com/30170/11aba0000ce2-30170103.pdf, ComponentLink3URL=https://datasheet.ciiva.com/30170/11aba0000ce2-30170103.pdf, ComponentLink4Description=https://datasheet.ciiva.com/31414/aba0000ce2-31414696.pdf, ComponentLink4URL=https://datasheet.ciiva.com/31414/aba0000ce2-31414696.pdf, ComponentLink5Description=https://datasheet.ciiva.com/24068/aba0000ce2-40801-24068089.pdf, ComponentLink5URL=https://datasheet.ciiva.com/24068/aba0000ce2-40801-24068089.pdf, ComponentLink6Description=https://datasheet.ciiva.com/14591/70255710-14591771.pdf, ComponentLink6URL=https://datasheet.ciiva.com/14591/70255710-14591771.pdf, ComponentLink7Description=https://datasheet.ciiva.com/14600/70255710-14600731.pdf, ComponentLink7URL=https://datasheet.ciiva.com/14600/70255710-14600731.pdf, ComponentLink8Description=https://datasheet.ciiva.com/46374/aba0000ce2-46374427.pdf, ComponentLink8URL=https://datasheet.ciiva.com/46374/aba0000ce2-46374427.pdf, ComponentLink9Description=https://datasheet.ciiva.com/11673/aba0000ce2-11673887.pdf, ComponentLink9URL=https://datasheet.ciiva.com/11673/aba0000ce2-11673887.pdf, Contact Plating=Tin, Description 1="Cap Aluminum Lytic 100uF 35V 20% (6.3 X 7.7mm) SMD 132mA 2000h 85C Automotive T/R", Diameter=6.3mm, Height=7.7mm, Height - Seated (Max)=0.303inch, Lead Free="Lead Free", Length=8mm, Life (Hours)=2000Hour, Mount="Surface Mount,PCB", Number of Pins=8, Packaging="Tape and Reel", Polarity=Polar, Pricing 1="1=0.44, 10=0.304, 100=0.1822 (USD)", Radiation Hardening=No, REACH SVHC="No SVHC", Ripple Current (AC)=132mA, Stock 1=170823, Supplier 1=Digi-Key, Termination=SMD/SMT, Voltage Rating=35V, Voltage Rating (DC)=35V
C19: library part "CAP CER 680PF 50V C0G 0603", "680pF ±5% 50V Ceramic Capacitor C0G, NP0 0603 (1608 Metric)", Capacitance=680pF, Case/Package=0603, Case Code (Metric)=1608, Dielectric=C0G, Manufacturer=Samsung, Manufacturer Part Number=CL10C681JB8NNNC, Max Operating Temperature=125°C, Min Operating Temperature=-55°C, Supplier Part Number 1=1276-1820-1-ND, Temperature Coefficient=300ppm/°C, Tolerance=5%, Voltage=50V, Case Code (Imperial)=0603, ComponentLink1Description=http://www.samsungsem.com/kr/support/product-search/mlcc/CL10C681JB8NNNC.jsp, ComponentLink1URL=http://www.samsungsem.com/kr/support/product-search/mlcc/CL10C681JB8NNNC.jsp, ComponentLink2Description=https://www.verical.com/server-webapp/html/getDatasheet?partID=359565, ComponentLink2URL=https://www.verical.com/server-webapp/html/getDatasheet?partID=359565, ComponentLink3Description=http://www1.futureelectronics.com/doc/SAMSUNG%20PASSIVE/CL05B104KQ5NNNC.pdf, ComponentLink3URL=http://www1.futureelectronics.com/doc/SAMSUNG%20PASSIVE/CL05B104KQ5NNNC.pdf, ComponentLink4Description=http://www.rapidonline.com/pdf/71-0310.pdf, ComponentLink4URL=http://www.rapidonline.com/pdf/71-0310.pdf, ComponentLink5Description=https://www.distrelec.biz/Web/Downloads/_e/ng/MLCC_CatalogDownload2013_ENG.pdf?mime=application%2Fpdf, ComponentLink5URL=https://www.distrelec.biz/Web/Downloads/_e/ng/MLCC_CatalogDownload2013_ENG.pdf?mime=application%2Fpdf, ComponentLink6Description=https://produktinfo.conrad.com/datenblaetter/450000-474999/456146-da-01-en-VS_KONDENSATOR_0603.pdf, ComponentLink6URL=https://produktinfo.conrad.com/datenblaetter/450000-474999/456146-da-01-en-VS_KONDENSATOR_0603.pdf, Depth=0.8mm, Height=0.8mm, Lead Free="Lead Free", Length=1.6mm, Material=Ceramic, Mount="Surface Mount", Packaging="Tape and Reel", Pricing 1="1=0.16, 10=0.112, 100=0.0526, 500=0.0369, 1000=0.03055 (USD)", Radiation Hardening=No, Stock 1=40000, Supplier 1=Digi-Key, Thickness=0.035inch, Voltage Rating=50V, Voltage Rating (DC)=50V, Width=0.031inch
C22: "4.7µF ±20% 50V Ceramic Capacitor X5R 0805 (2012 Metric)", Manufacturer 1="Murata Electronics North America", Manufacturer Part Number 1=GRT21BR61H475ME13L, Operating Temperature="-55°C ~ 85°C", Package / Case="0805 (2012 Metric)", Ratings=AEC-Q200, Supplier Part Number 1=490-12395-1-ND, Temperature Coefficient=X5R, Tolerance=±20%, Voltage - Rated=50V, Applications=Automotive, Category=Capacitors, ComponentLink1Description=http://search.murata.co.jp/Ceramy/image/img/A01X/G101/ENG/GRT21BR61H475ME13-01.pdf, ComponentLink1URL=http://search.murata.co.jp/Ceramy/image/img/A01X/G101/ENG/GRT21BR61H475ME13-01.pdf, Description 1="CAP CER 4.7UF 50V X5R 0805", Features=-, Height - Seated (Max)=-, Lead Spacing=-, Lead Style=-, Mounting Type="Surface Mount, MLCC", Packaging="Cut Tape (CT)", Part Status=Active, Pricing 1="1=0.56, 10=0.389, 100=0.2338, 500=0.17536, 1000=0.14808 (CAD)", RoHS="RoHS Compliant", Size / Dimension="0.079\" L x 0.049\" W (2.00mm x 1.25mm)", Stock 1=4286, Supplier 1=Digi-Key, Thickness (Max)="0.057\" (1.45mm)"
C24: "2.2µF ±20% 100V Ceramic Capacitor X7R 1206 (3216 Metric)", Capacitance=2.2µF, Manufacturer 1="Murata Electronics North America", Manufacturer Part Number 1=GRM31CR72A225MA73L, Operating Temperature="-55°C ~ 125°C", Package / Case="1206 (3216 Metric)", Ratings=-, Supplier Part Number 1=490-12773-1-ND, Temperature Coefficient=X7R, Tolerance=±20%, Voltage=100V, ComponentLink1Description=http://www.murata.com/~/media/webrenewal/support/library/catalog/products/capacitor/mlcc/c02e.ashx, ComponentLink1URL=http://www.murata.com/~/media/webrenewal/support/library/catalog/products/capacitor/mlcc/c02e.ashx, Height - Seated (Max)=-, Lead Spacing=-, Lead Style=-, Mounting Type="Surface Mount, MLCC", Packaging="Cut Tape (CT)", Part Status=Active, Size / Dimension="0.126\" L x 0.063\" W (3.20mm x 1.60mm)", Supplier 1=Digi-Key, Thickness (Max)="0.071\" (1.80mm)"
D1: "TVS DIODE 15VWM 24.4VC SMB", Capacitance @ Frequency=-, Current - Peak Pulse (10/1000µs)=24.6A, Manufacturer 1="Fairchild/ON Semiconductor", Manufacturer Part Number 1=SMBJ15CA, Operating Temperature="-55°C ~ 150°C (TJ)", Package / Case="DO-214AA, SMB", Power - Peak Pulse=600W, Power Line Protection=No, Supplier Device Package="DO-214AA (SMB)", Supplier Part Number 1=SMBJ15CAFSCT-ND, Voltage - Breakdown (Min)=16.7V, Voltage - Clamping (Max) @ Ipp=24.4V, Voltage - Reverse Standoff (Typ)=15V, Applications="General Purpose", Category="Circuit Protection", ComponentLink1Description=https://www.fairchildsemi.com/datasheets/SM/SMBJ10CA.pdf, ComponentLink1URL=https://www.fairchildsemi.com/datasheets/SM/SMBJ10CA.pdf, Description 1="TVS DIODE 15VWM 24.4VC SMB", Mounting Type="Surface Mount", Packaging="Cut Tape (CT)", Part Status=Active, Pricing 1="1=0.54, 10=0.444, 100=0.3027, 500=0.22704, 1000=0.17028 (CAD)", RoHS="RoHS Compliant", Stock 1=24965, Supplier 1=Digi-Key, Type=Zener
D2 D3: "TVS DIODE 24VWM 70VC SOT23", Capacitance @ Frequency="11pF @ 1MHz", Current - Peak Pulse (10/1000µs)="3A (8/20µs)", Manufacturer 1="Nexperia USA Inc.", Manufacturer Part Number 1=PESD1CAN,215, Operating Temperature="-65°C ~ 150°C (TA)", Package / Case="TO-236-3, SC-59, SOT-23-3", Power - Peak Pulse=200W, Power Line Protection=No, Supplier Device Package="SOT-23 (TO-236AB)", Supplier Part Number 1=1727-3817-1-ND, Voltage - Breakdown (Min)=25.4V, Voltage - Clamping (Max) @ Ipp=70V, ComponentLink1Description=http://assets.nexperia.com/documents/data-sheet/PESD1CAN.pdf, ComponentLink1URL=http://assets.nexperia.com/documents/data-sheet/PESD1CAN.pdf, Mounting Type="Surface Mount", Packaging="Cut Tape (CT)", Part Status=Active, Supplier 1=Digi-Key, Type=Zener